# KiCad board sr99-stm32-hotswap.kicad_pcb
title: SR99 STM32F411 Hotswap Keyboard; rev: 0.2; company: Tecsmith
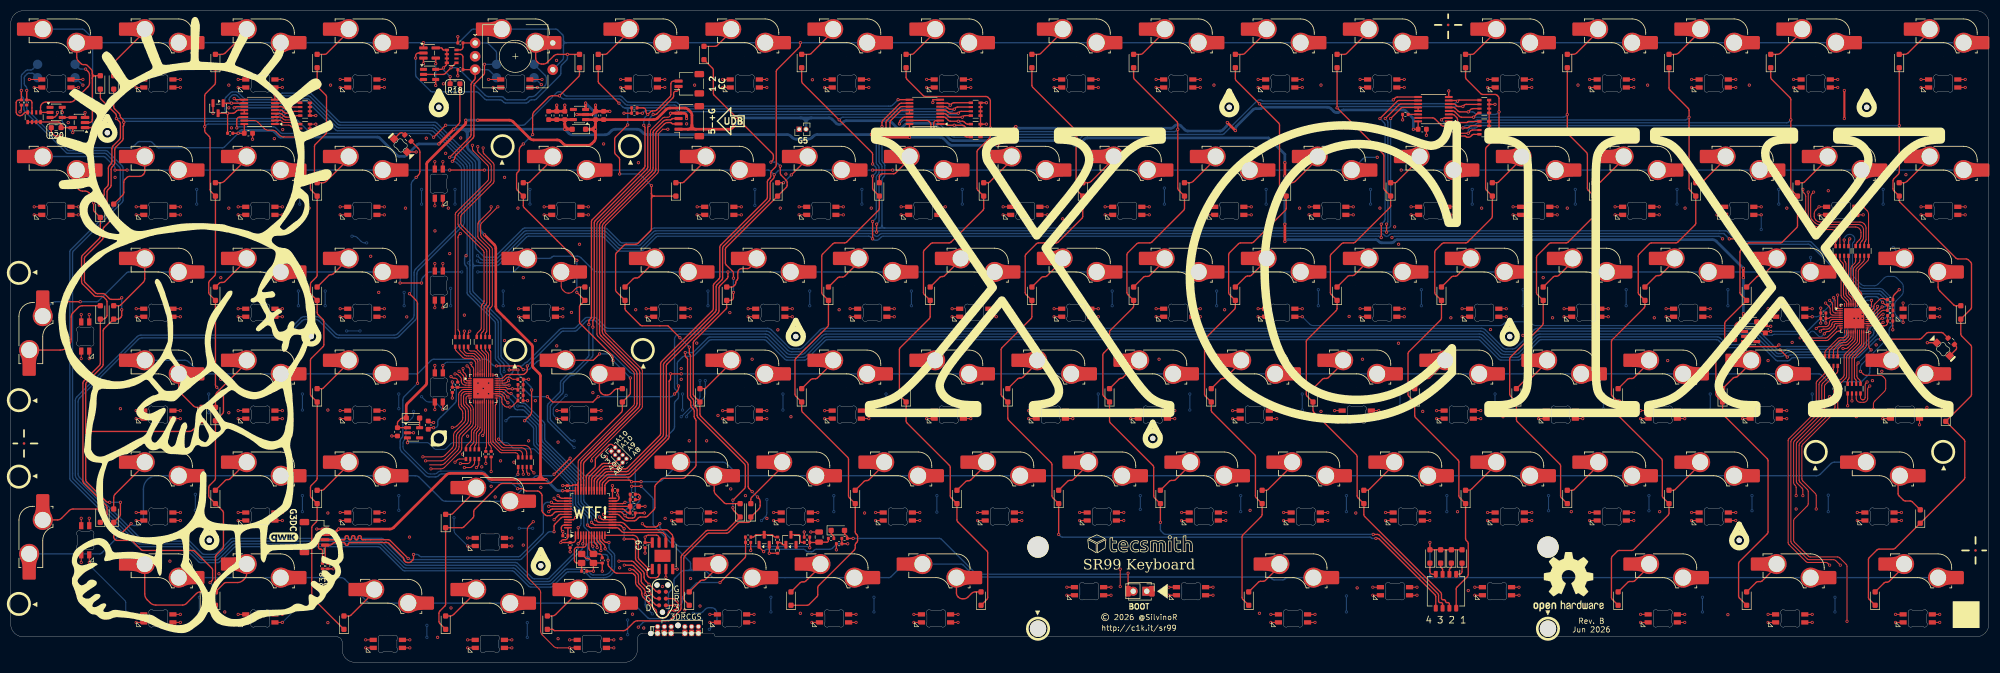
[diagram p0: board, top side]
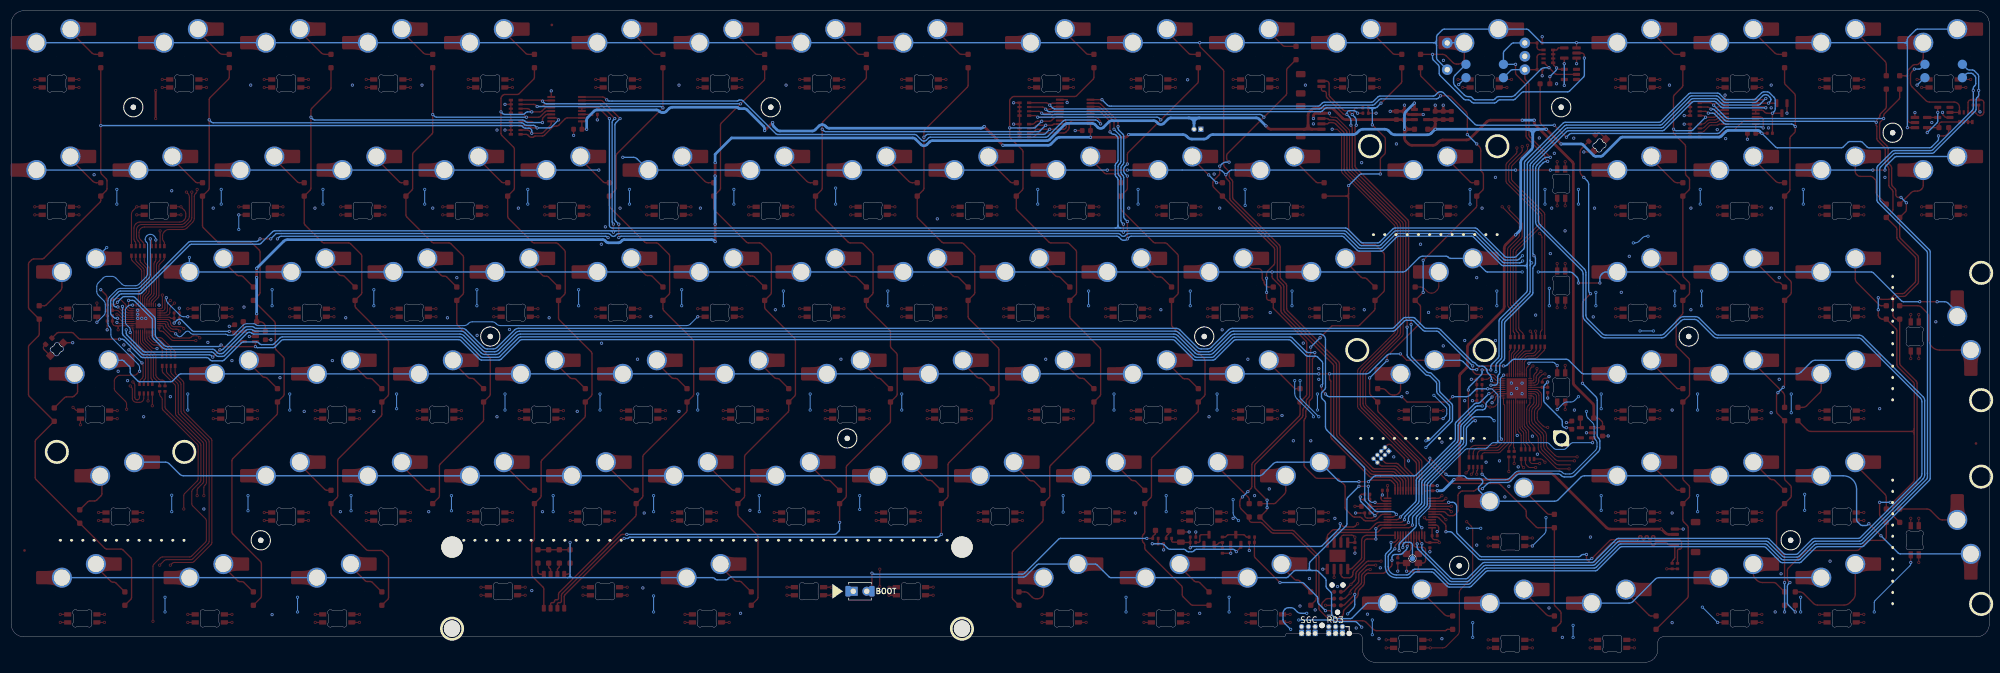
[diagram p1: board, bottom side, seen from below]

Outline 369.48 x 121.82 mm; copper layers: Top, In1.Cu, In2.Cu, Bottom. Coordinates in mm from the lower left corner of the outline.
Outline path: circle c79.96,41.86 r1.05 ; 0,119.44 0,7.14 arc(0.7,5.46) 2.38,4.76 60.91,4.76 arc(61.62,4.47) 61.91,3.76 61.91,2.38 arc(62.61,0.7) 64.29,0 114.68,0 arc(116.37,0.7) 117.06,2.38 117.06,4.4 arc(117.36,5.1) 118.06,5.4 131.14,5.4 arc(131.36,5.3) 131.46,5.08 arc(131.55,4.86) 131.77,4.76 367.09,4.76 arc(368.78,5.46) 369.48,7.14 369.48,119.44 arc(368.78,121.13) 367.09,121.82 2.38,121.82 arc(0.7,121.13) 0,119.44
Stack: Top 0.035mm / dielectric 0.2064mm FR4 er 4.5 / In1.Cu 0.0152mm / dielectric 1.065mm FR4 er 4.5 / In2.Cu 0.0152mm / dielectric 0.2064mm FR4 er 4.5 / Bottom 0.035mm

## Placement (name value [footprint] x y rotation side)
C1  100n  [C_0603_1608Metric]  44.4 98.91 180 top
C2  100n  [C_0603_1608Metric]  168.65 99.41 180 top
C3  100n  [C_0603_1608Metric]  263.65 99.66 180 top
C4  10u  [C_0805_2012Metric]  150.99 23.41 270 top
C5  100n  [C_0402_1005Metric]  112.88 32.16 180 top
C6  100n  [C_0402_1005Metric]  103.99 32.56 270 top
C7  100n  [C_0402_1005Metric]  103.59 23.66 0 top
C8  100n  [C_0402_1005Metric]  104.49 21.91 90 top
C9  100n  [C_0402_1005Metric]  118.49 21.91 90 top
C10  10n  [C_0402_1005Metric]  116.18 31.41 180 top
C11  1u  [C_0402_1005Metric]  116.18 30.41 180 top
C12  100n  [C_0402_1005Metric]  116.18 27.91 180 top
C13  100n  [C_0402_1005Metric]  137.74 22.41 180 top
C14  22u  [C_0603_1608Metric]  109.24 102.24 270 top
C15  100n  [C_0603_1608Metric]  110.74 102.24 270 top
C16  100n  [C_0603_1608Metric]  103.49 102.24 270 top
C17  22u  [C_0603_1608Metric]  101.99 102.24 270 top
C18  4u7  [C_0603_1608Metric]  100.49 102.24 270 top
C19  10p  [C_0402_1005Metric]  107.12 17.04 180 top
C20  10p  [C_0402_1005Metric]  110.49 19.04 90 top
C21  100n  [C_0402_1005Metric]  83.99 110.8 0 top
C22  100n  [C_0402_1005Metric]  83.99 115.8 0 top
C23  100n  [C_0402_1005Metric]  2.99 104.66 90 top
C24  100n  [C_0402_1005Metric]  1.99 104.66 90 top
C25  1u  [C_0402_1005Metric]  338.56 65.31 0 top
C26  100n  [C_0402_1005Metric]  338.56 64.31 0 top
C27  1u  [C_0402_1005Metric]  351.06 63.81 180 top
C28  100n  [C_0402_1005Metric]  351.06 64.81 180 top
C29  1u  [C_0402_1005Metric]  83.49 51.89 270 top
C30  100n  [C_0402_1005Metric]  82.49 50.93 90 top
C31  1u  [C_0402_1005Metric]  95.22 48.91 180 top
C32  100n  [C_0402_1005Metric]  95.24 49.91 180 top
C33  1u  [C_0603_1608Metric]  321.99 61.09 90 top
C34  22u  [C_0603_1608Metric]  327.74 62.34 270 top
C35  1u  [C_0603_1608Metric]  72.24 43.09 90 top
C36  1u  [C_0603_1608Metric]  77.99 44.34 270 top
C37  100n  [C_0402_1005Metric]  351.06 66.81 180 top
C38  100n  [C_0402_1005Metric]  95.24 51.91 180 top
D1  1N4148WS  [D_SOD-323_HandSoldering]  154.49 24.66 0 top
D2  1N4148WS  [D_SOD-323_HandSoldering]  106.12 99.66 180 top
D3  1N4148WS  [D_SOD-323_HandSoldering]  352.74 112.41 90 top
D4  1N4148WS  [D_SOD-323_HandSoldering]  328.74 112.41 90 top
D5  1N4148WS  [D_SOD-323_HandSoldering]  309.74 112.41 90 top
D6  1N4148WS  [D_SOD-323_HandSoldering]  290.74 112.41 90 top
D7  1N4148WS  [D_SOD-323_HandSoldering]  271.74 112.41 90 top
D8  1N4148WS  [D_SOD-323_HandSoldering]  247.74 112.41 90 top
D9  1N4148WS  [D_SOD-323_HandSoldering]  228.74 112.41 90 top
D10  1N4148WS  [D_SOD-323_HandSoldering]  209.74 112.41 90 top
D11  1N4148WS  [D_SOD-323_HandSoldering]  190.74 112.41 90 top
D12  1N4148WS  [D_SOD-323_HandSoldering]  167.24 112.41 90 top
D13  1N4148WS  [D_SOD-323_HandSoldering]  147.74 112.41 90 top
D14  1N4148WS  [D_SOD-323_HandSoldering]  129.49 113.91 90 top
D15  1N4148WS  [D_SOD-323_HandSoldering]  109.74 112.41 90 top
D16  1N4148WS  [D_SOD-323_HandSoldering]  106.24 112.41 90 top
D17  1N4148WS  [D_SOD-323_HandSoldering]  57.24 112.41 90 top
D18  1N4148WS  [D_SOD-323_HandSoldering]  38.24 112.41 90 top
D19  1N4148WS  [D_SOD-323_HandSoldering]  19.24 108.41 90 top
D20  1N4148WS  [D_SOD-323_HandSoldering]  16.74 108.41 90 top
D21  1N4148WS  [D_SOD-323_HandSoldering]  352.74 88.41 90 top
D22  1N4148WS  [D_SOD-323_HandSoldering]  333.74 88.41 90 top
D23  1N4148WS  [D_SOD-323_HandSoldering]  314.74 88.41 90 top
D24  1N4148WS  [D_SOD-323_HandSoldering]  295.74 88.41 90 top
D25  1N4148WS  [D_SOD-323_HandSoldering]  276.74 88.41 90 top
D26  1N4148WS  [D_SOD-323_HandSoldering]  257.74 88.41 90 top
D27  1N4148WS  [D_SOD-323_HandSoldering]  238.24 88.41 90 top
D28  1N4148WS  [D_SOD-323_HandSoldering]  219.24 88.41 90 top
D29  1N4148WS  [D_SOD-323_HandSoldering]  200.24 88.41 90 top
D30  1N4148WS  [D_SOD-323_HandSoldering]  181.74 88.41 90 top
D31  1N4148WS  [D_SOD-323_HandSoldering]  162.24 88.41 90 top
D32  1N4148WS  [D_SOD-323_HandSoldering]  143.24 88.41 90 top
D33  1N4148WS  [D_SOD-323_HandSoldering]  124.24 88.41 90 top
D34  1N4148WS  [D_SOD-323_HandSoldering]  95.74 88.41 90 top
D35  1N4148WS  [D_SOD-323_HandSoldering]  57.24 88.41 90 top
D36  1N4148WS  [D_SOD-323_HandSoldering]  38.24 88.41 90 top
D37  1N4148WS  [D_SOD-323_HandSoldering]  19.24 84.41 90 top
D38  1N4148WS  [D_SOD-323_HandSoldering]  16.74 84.41 90 top
D39  1N4148WS  [D_SOD-323_HandSoldering]  364.24 65.41 90 top
D40  1N4148WS  [D_SOD-323_HandSoldering]  324.24 68.91 90 top
D41  1N4148WS  [D_SOD-323_HandSoldering]  305.24 68.91 90 top
D42  1N4148WS  [D_SOD-323_HandSoldering]  286.24 68.91 90 top
D43  1N4148WS  [D_SOD-323_HandSoldering]  267.24 68.91 90 top
D44  1N4148WS  [D_SOD-323_HandSoldering]  247.74 68.91 90 top
D45  1N4148WS  [D_SOD-323_HandSoldering]  228.74 68.91 90 top
D46  1N4148WS  [D_SOD-323_HandSoldering]  209.74 68.91 90 top
D47  1N4148WS  [D_SOD-323_HandSoldering]  190.74 68.91 90 top
D48  1N4148WS  [D_SOD-323_HandSoldering]  171.74 68.91 90 top
D49  1N4148WS  [D_SOD-323_HandSoldering]  152.74 68.91 90 top
D50  1N4148WS  [D_SOD-323_HandSoldering]  133.74 68.91 90 top
D51  1N4148WS  [D_SOD-323_HandSoldering]  114.74 68.91 90 top
D52  1N4148WS  [D_SOD-323_HandSoldering]  107.24 68.91 90 top
D53  1N4148WS  [D_SOD-323_HandSoldering]  57.24 68.91 90 top
D54  1N4148WS  [D_SOD-323_HandSoldering]  38.24 68.91 90 top
D55  1N4148WS  [D_SOD-323_HandSoldering]  19.24 65.41 90 top
D56  1N4148WS  [D_SOD-323_HandSoldering]  16.74 65.41 90 top
D57  1N4148WS  [D_SOD-323_HandSoldering]  265.08 19.79 90 top
D58  1N4148WS  [D_SOD-323_HandSoldering]  267.08 19.79 90 top
D59  1N4148WS  [D_SOD-323_HandSoldering]  269.08 19.79 90 top
D60  1N4148WS  [D_SOD-323_HandSoldering]  271.08 19.79 90 top
D61  1N4148WS  [D_SOD-323_HandSoldering]  361.43 46.31 90 top
D62  1N4148WS  [D_SOD-323_HandSoldering]  319.74 49.91 90 top
D63  1N4148WS  [D_SOD-323_HandSoldering]  300.24 49.91 90 top
D64  1N4148WS  [D_SOD-323_HandSoldering]  281.24 49.91 90 top
D65  1N4148WS  [D_SOD-323_HandSoldering]  262.24 49.91 90 top
D66  1N4148WS  [D_SOD-323_HandSoldering]  243.24 49.91 90 top
D67  1N4148WS  [D_SOD-323_HandSoldering]  224.24 49.91 90 top
D68  1N4148WS  [D_SOD-323_HandSoldering]  205.24 49.91 90 top
D69  1N4148WS  [D_SOD-323_HandSoldering]  186.24 49.91 90 top
D70  1N4148WS  [D_SOD-323_HandSoldering]  167.24 49.91 90 top
D71  1N4148WS  [D_SOD-323_HandSoldering]  147.74 49.91 90 top
D72  1N4148WS  [D_SOD-323_HandSoldering]  128.74 49.91 90 top
D73  1N4148WS  [D_SOD-323_HandSoldering]  114.24 49.91 90 top
D74  1N4148WS  [D_SOD-323_HandSoldering]  57.24 49.91 90 top
D75  1N4148WS  [D_SOD-323_HandSoldering]  38.24 46.41 90 top
D76  1N4148WS  [D_SOD-323_HandSoldering]  35.74 46.41 90 top
D77  1N4148WS  [D_SOD-323_HandSoldering]  356.66 27.26 90 top
D78  1N4148WS  [D_SOD-323_HandSoldering]  309.74 30.91 90 top
D79  1N4148WS  [D_SOD-323_HandSoldering]  290.74 30.91 90 top
D80  1N4148WS  [D_SOD-323_HandSoldering]  271.74 30.91 90 top
D81  1N4148WS  [D_SOD-323_HandSoldering]  252.74 30.91 90 top
D82  1N4148WS  [D_SOD-323_HandSoldering]  233.74 30.91 90 top
D83  1N4148WS  [D_SOD-323_HandSoldering]  214.74 30.91 90 top
D84  1N4148WS  [D_SOD-323_HandSoldering]  195.74 30.91 90 top
D85  1N4148WS  [D_SOD-323_HandSoldering]  176.74 30.91 90 top
D86  1N4148WS  [D_SOD-323_HandSoldering]  157.74 30.91 90 top
D87  1N4148WS  [D_SOD-323_HandSoldering]  138.24 28.41 90 top
D88  1N4148WS  [D_SOD-323_HandSoldering]  136.24 28.41 90 top
D89  1N4148WS  [D_SOD-323_HandSoldering]  81.24 26.41 90 top
D90  1N4148WS  [D_SOD-323_HandSoldering]  57.24 30.91 90 top
D91  1N4148WS  [D_SOD-323_HandSoldering]  38.24 30.91 90 top
D92  1N4148WS  [D_SOD-323_HandSoldering]  19.24 27.41 90 top
D93  1N4148WS  [D_SOD-323_HandSoldering]  16.74 27.41 90 top
D94  1N4148WS  [D_SOD-323_HandSoldering]  348.24 11.91 90 top
D95  1N4148WS  [D_SOD-323_HandSoldering]  324.24 11.91 90 top
D96  1N4148WS  [D_SOD-323_HandSoldering]  300.24 11.91 90 top
D97  1N4148WS  [D_SOD-323_HandSoldering]  231.24 11.91 90 top
D98  1N4148WS  [D_SOD-323_HandSoldering]  181.24 11.91 90 top
D99  1N4148WS  [D_SOD-323_HandSoldering]  145.74 11.91 90 top
D100  1N4148WS  [D_SOD-323_HandSoldering]  126.74 11.91 90 top
D101  1N4148WS  [D_SOD-323_HandSoldering]  100.24 7.41 90 top
D102  1N4148WS  [D_SOD-323_HandSoldering]  81.24 7.41 90 top
D103  1N4148WS  [D_SOD-323_HandSoldering]  62.24 7.41 90 top
D104  1N4148WS  [D_SOD-323_HandSoldering]  38.24 11.91 90 top
D105  1N4148WS  [D_SOD-323_HandSoldering]  36.24 11.91 90 top
D106  1N4148WS  [D_SOD-323_HandSoldering]  324.88 63.66 0 top
D107  1N4148WS  [D_SOD-323_HandSoldering]  75.12 45.66 0 top
D108  LED  [LED_MHT151C]  360.95 58.53 135 top
D109  LED  [LED_MHT151C]  72.82 96.63 315 top
ENC1  Skyloong  [SW_Skyloong_Enc]  94.25 113.3 0 top
ENC2  Skyloong  [SW_Skyloong_Enc]  8.53 113.3 0 top
FB1  1KΩ 100MHz  [L_0603_1608Metric]  116.49 29.16 0 top
G***  LOGO  [qwiic_5.5mm]  51 23.41 0 top
J1  UDB  [JST_SH_SM04B-SRSS-TB_1x04-1MP_P1.00mm_Horizontal]  126.74 101.16 90 top
J2  ~  [JST_SH_SM04B-SRSS-TB_1x04-1MP_P1.00mm_Horizontal]  56.74 23.41 270 top
J3  TC2030_SWD  [Tag-Connect_TC2030-IDC-NL_2x03_P1.27mm_Vertical]  121.74 11.91 90 top
J4  Conn_01x02  [PinHeader_1x02_P2.54mm_Vertical]  212.2 13.29 270 top
J5  ~  [JST_SH_SM02B-SRSS-TB_1x02-1MP_P1.00mm_Horizontal]  126.74 108.16 90 top
J6  Conn_01x06_Socket  [Tag-Connect_EC-06-IDC_P1.27mm_Vertical]  124.64 5.4 0 bottom
NT1  NetTie_2  [NetTie-2_SMD_Pad0.254mm]  103.74 22.39 0 top
NT2  NetTie_2  [NetTie-2_SMD_Pad0.254mm]  117.74 27.91 180 top
NT3  NetTie_2  [NetTie-2_SMD_Pad0.254mm]  115.7 28.41 270 top
Q1  2N7002  [SOT-23]  38.74 103.6 270 top
Q2  2N7002  [SOT-23]  145.74 22.91 90 top
Q3  2N7002  [SOT-23]  140.74 22.91 90 top
R1  10K  [R_Array_Convex_4x0603]  275.24 103.91 180 top
R2  10K  [R_Array_Convex_4x0603]  180.24 103.41 180 top
R3  10K  [R_Array_Convex_4x0603]  54.99 103.41 180 top
R4  10K  [R_Array_Convex_4x0603]  275.24 99.91 180 top
R5  10K  [R_Array_Convex_4x0603]  180.24 99.41 180 top
R6  10K  [R_Array_Convex_4x0603]  54.99 99.41 180 top
R7  5K1  [C_0402_1005Metric]  40.99 98.91 180 top
R8  330K  [R_0402_1005Metric]  153.24 23.16 180 top
R9  1M  [R_0402_1005Metric]  148.73 23.41 0 top
R10  10K  [R_0402_1005Metric]  148.74 22.41 0 top
R12  10K  [R_0402_1005Metric]  143.24 22.91 90 top
R13  1K  [R_0402_1005Metric]  155.75 23.16 180 top
R14  100K  [R_0402_1005Metric]  143.24 20.9 90 top
R15  10K  [R_0402_1005Metric]  154.73 22.16 0 top
R16  100R  [R_0402_1005Metric]  137.74 23.41 180 top
R17  10K  [R_Array_Convex_4x0603]  82.36 113.29 180 top
R18  0  [R_0603_1608Metric_Pad0.98x0.95mm_HandSolder]  82.99 108.16 0 top
R19  10K  [R_Array_Convex_4x0603]  4.37 101.91 270 top
R20  0  [R_0603_1608Metric_Pad0.98x0.95mm_HandSolder]  8.49 99.96 180 top
R21  20R  [R_Array_Convex_4x0603]  340.06 56.31 270 top
R22  51R  [R_0402_1005Metric]  340.74 51.16 270 top
R23  51R  [R_0402_1005Metric]  341.74 51.16 270 top
R24  20R  [R_Array_Convex_4x0603]  344.31 51.16 270 top
R25  20R  [R_Array_Convex_4x0603]  345.81 76.91 90 top
R26  51R  [R_Array_Convex_4x0603]  342.06 76.91 90 top
R27  20R  [R_Array_Convex_4x0603]  86.24 38.91 270 top
R28  51R  [R_0402_1005Metric]  88.74 38.91 270 top
R29  51R  [R_0402_1005Metric]  89.74 38.91 270 top
R30  20R  [R_Array_Convex_4x0603]  95.99 37.41 270 top
R31  20R  [R_Array_Convex_4x0603]  88.24 59.91 90 top
R32  51R  [R_Array_Convex_4x0603]  84.24 59.91 90 top
R33  100K  [R_0402_1005Metric]  351.06 65.81 180 top
R34  10K  [R_0402_1005Metric]  351.06 67.81 180 top
R35  100K  [R_0402_1005Metric]  95.24 50.91 180 top
R36  10K  [R_0402_1005Metric]  95.23 52.91 180 top
R37  4K7  [R_0402_1005Metric]  59.24 17.99 270 top
R38  4K7  [R_0402_1005Metric]  58.24 17.99 270 top
R39  510R  [R_0603_1608Metric]  362.45 60.03 135 top
R40  510R  [R_0603_1608Metric]  74.2 98.01 315 top
R41  10K  [R_0402_1005Metric]  260.49 102.44 180 top
R42  5K1  [R_0402_1005Metric]  116.49 103.66 180 top
R43  5K1  [R_0402_1005Metric]  116.49 102.66 180 top
REF**  -  [pcb-post-screw]  346.66 103.77 0 top
Ref**  -  [Fiducial_0.5mm_Mask1mm]  268.49 119.16 0 top
REF**#2  -  [pcb-post-screw]  18.05 99.01 0 top
Ref**#2  -  [Fiducial_0.5mm_Mask1mm]  366.99 20.91 0 top
REF**#3  -  [jlcpcb_order_number_5x5]  365.24 8.91 90 top
Ref**#3  -  [Fiducial_0.5mm_Mask1mm]  2.49 40.91 0 top
REF**#4  -  [pcb-post-screw]  213.31 41.86 0 top
REF**#5  -  [pcb-post-screw]  99.01 18.05 0 top
REF**#6  -  [pcb-post-screw]  227.6 103.77 0 top
REF**#7  -  [Tecsmith_20mm]  210.74 22.16 0 top
REF**#8  -  [pcb-post-screw]  37.1 22.81 0 top
REF**#9  -  [OSHW-Logo2_14.6x12mm_SilkScreen]  290.98 15.07 0 top
REF**#10  -  [PinHeader_1x02_P1.27mm_Vertical]  147.27 99.66 90 top
REF**#11  -  [pcb-post-screw]  279.99 60.91 0 top
REF**#12  -  [PinHeader_1x07_P1.27mm_Vertical]  120.83 6.67 90 top
REF**#13  -  [PinHeader_2x04_P1.00mm_Vertical]  112.18 39.47 45 top
REF**#14  -  [pcb-post-screw]  56.15 60.91 0 top
REF**#15  -  [EC11-E]  94.25 113.3 0 top
REF**#16  -  [pcb-post-screw]  79.96 103.77 0 top
REF**#17  -  [pcb-post-screw]  146.64 60.91 0 top
REF**#18  -  [pcb-post-screw]  322.85 22.81 0 top
REF**#19  -  [SW_SPST_TS-1088-xR020]  210.93 13.29 0 bottom
ST1  ~  [STAB_2U]  103.77 89.49 0 top
ST2  ~  [STAB_2U]  8.53 60.91 90 top
ST3  ~  [STAB_2U]  106.16 51.39 0 top
ST4  ~  [STAB_2U]  349.04 32.34 0 top
ST5  ~  [STAB_2U]  8.53 22.81 90 top
ST6  ~  [STAB_6U]  239.51 13.29 180 top
SW1  Esc  [SW_MX_HotSwap]  360.95 113.3 0 top
SW2  F1  [SW_MX_HotSwap]  337.14 113.3 0 top
SW3  F2  [SW_MX_HotSwap]  318.09 113.3 0 top
SW4  F3  [SW_MX_HotSwap]  299.04 113.3 0 top
SW5  F4  [SW_MX_HotSwap]  279.99 113.3 0 top
SW6  F5  [SW_MX_HotSwap]  256.18 113.3 0 top
SW7  F6  [SW_MX_HotSwap]  237.12 113.3 0 top
SW8  F7  [SW_MX_HotSwap]  218.08 113.3 0 top
SW9  F8  [SW_MX_HotSwap]  199.03 113.3 0 top
SW10  F9  [SW_MX_HotSwap]  175.21 113.3 0 top
SW11  F10  [SW_MX_HotSwap]  156.16 113.3 0 top
SW12  F11  [SW_MX_HotSwap]  137.11 113.3 0 top
SW13  F12  [SW_MX_HotSwap]  118.06 113.3 0 top
SW14  F13  [SW_MX_HotSwap]  94.25 113.3 0 top
SW15  F14  [SW_MX_HotSwap]  65.67 113.3 0 top
SW16  F15  [SW_MX_HotSwap]  46.62 113.3 0 top
SW17  F16  [SW_MX_HotSwap]  27.57 113.3 0 top
SW18  F17  [SW_MX_HotSwap]  8.53 113.3 0 top
SW19  Tdl  [SW_MX_HotSwap]  360.95 89.49 0 top
SW20  1  [SW_MX_HotSwap]  341.9 89.49 0 top
SW21  2  [SW_MX_HotSwap]  322.85 89.49 0 top
SW22  3  [SW_MX_HotSwap]  303.8 89.49 0 top
SW23  4  [SW_MX_HotSwap]  284.75 89.49 0 top
SW24  5  [SW_MX_HotSwap]  265.7 89.49 0 top
SW25  6  [SW_MX_HotSwap]  246.65 89.49 0 top
SW26  7  [SW_MX_HotSwap]  227.6 89.49 0 top
SW27  8  [SW_MX_HotSwap]  208.55 89.49 0 top
SW28  9  [SW_MX_HotSwap]  189.5 89.49 0 top
SW29  0  [SW_MX_HotSwap]  170.45 89.49 0 top
SW30  MIN  [SW_MX_HotSwap]  151.4 89.49 0 top
SW31  PLS  [SW_MX_HotSwap]  132.35 89.49 0 top
SW32  BS  [SW_MX_HotSwap]  103.77 89.49 0 top
SW33  NumL  [SW_MX_HotSwap]  65.67 89.49 0 top
SW34  Div  [SW_MX_HotSwap]  46.62 89.49 0 top
SW35  Mul  [SW_MX_HotSwap]  27.57 89.49 0 top
SW36  Sub  [SW_MX_HotSwap]  8.53 89.49 0 top
SW37  Tab  [SW_MX_HotSwap]  356.19 70.44 0 top
SW38  Q  [SW_MX_HotSwap]  332.38 70.44 0 top
SW39  W  [SW_MX_HotSwap]  313.32 70.44 0 top
SW40  E  [SW_MX_HotSwap]  294.28 70.44 0 top
SW41  R  [SW_MX_HotSwap]  275.23 70.44 0 top
SW42  T  [SW_MX_HotSwap]  256.18 70.44 0 top
SW43  Y  [SW_MX_HotSwap]  237.12 70.44 0 top
SW44  U  [SW_MX_HotSwap]  218.08 70.44 0 top
SW45  I  [SW_MX_HotSwap]  199.03 70.44 0 top
SW46  O  [SW_MX_HotSwap]  179.98 70.44 0 top
SW47  P  [SW_MX_HotSwap]  160.93 70.44 0 top
SW48  [  [SW_MX_HotSwap]  141.88 70.44 0 top
SW49  ]  [SW_MX_HotSwap]  122.83 70.44 0 top
SW50  \  [SW_MX_HotSwap]  99.01 70.44 0 top
SW51  N7  [SW_MX_HotSwap]  65.67 70.44 0 top
SW52  N8  [SW_MX_HotSwap]  46.62 70.44 0 top
SW53  N9  [SW_MX_HotSwap]  27.57 70.44 0 top
SW54  Add  [SW_MX_HotSwap]  8.53 60.91 90 top
SW55  CapsL  [SW_MX_HotSwap]  353.81 51.39 0 top
SW56  A  [SW_MX_HotSwap]  327.61 51.39 0 top
SW57  S  [SW_MX_HotSwap]  308.56 51.39 0 top
SW58  D  [SW_MX_HotSwap]  289.51 51.39 0 top
SW59  F  [SW_MX_HotSwap]  270.46 51.39 0 top
SW60  G  [SW_MX_HotSwap]  251.41 51.39 0 top
SW61  H  [SW_MX_HotSwap]  232.36 51.39 0 top
SW62  J  [SW_MX_HotSwap]  213.31 51.39 0 top
SW63  K  [SW_MX_HotSwap]  194.26 51.39 0 top
SW64  L  [SW_MX_HotSwap]  175.21 51.39 0 top
SW65  ;  [SW_MX_HotSwap]  156.16 51.39 0 top
SW66  "  [SW_MX_HotSwap]  137.11 51.39 0 top
SW67  Ent  [SW_MX_HotSwap]  106.16 51.39 0 top
SW68  N4  [SW_MX_HotSwap]  65.67 51.39 0 top
SW69  N5  [SW_MX_HotSwap]  46.62 51.39 0 top
SW70  N6  [SW_MX_HotSwap]  27.57 51.39 0 top
SW71  SW_DIP_x04  [SW_DIP_SPSTx04]  268.08 13.29 180 top
SW72  LShft  [SW_MX_HotSwap]  349.04 32.34 0 top
SW73  Z  [SW_MX_HotSwap]  318.09 32.34 0 top
SW74  X  [SW_MX_HotSwap]  299.04 32.34 0 top
SW75  C  [SW_MX_HotSwap]  279.99 32.34 0 top
SW76  V  [SW_MX_HotSwap]  260.94 32.34 0 top
SW77  B  [SW_MX_HotSwap]  241.89 32.34 0 top
SW78  N  [SW_MX_HotSwap]  222.84 32.34 0 top
SW79  M  [SW_MX_HotSwap]  203.79 32.34 0 top
SW80  <  [SW_MX_HotSwap]  184.74 32.34 0 top
SW81  >  [SW_MX_HotSwap]  165.69 32.34 0 top
SW82  ?  [SW_MX_HotSwap]  146.64 32.34 0 top
SW83  RShft  [SW_MX_HotSwap]  127.59 32.34 0 top
SW84  Up  [SW_MX_HotSwap]  89.49 27.57 0 top
SW85  N1  [SW_MX_HotSwap]  65.67 32.34 0 top
SW86  N2  [SW_MX_HotSwap]  46.62 32.34 0 top
SW87  N3  [SW_MX_HotSwap]  27.57 32.34 0 top
SW88  NEnt  [SW_MX_HotSwap]  8.53 22.81 90 top
SW89  Ctrl  [SW_MX_HotSwap]  356.19 13.29 0 top
SW90  Opt  [SW_MX_HotSwap]  332.38 13.29 0 top
SW91  Cmnd  [SW_MX_HotSwap]  308.56 13.29 0 top
SW92  Space  [SW_MX_HotSwap]  239.51 13.29 0 top
SW93  Menu  [SW_MX_HotSwap]  172.83 13.29 0 top
SW94  Fn1  [SW_MX_HotSwap]  153.78 13.29 0 top
SW95  Fn2  [SW_MX_HotSwap]  134.73 13.29 0 top
SW96  Left  [SW_MX_HotSwap]  108.54 8.53 0 top
SW97  Down  [SW_MX_HotSwap]  89.49 8.53 0 top
SW98  Right  [SW_MX_HotSwap]  70.44 8.53 0 top
SW99  N0  [SW_MX_HotSwap]  46.62 13.29 0 top
SW100  Dot  [SW_MX_HotSwap]  27.57 13.29 0 top
SW104  74HC1G66  [SC-74A-5_1.55x2.9mm_P0.95mm]  78.24 113.91 0 top
SW105  74HC1G66  [SC-74A-5_1.55x2.9mm_P0.95mm]  12.74 100.91 180 top
TP1  ~  [TestPoint_Pad_D1.0mm]  107.74 19.41 180 bottom
U1  STM32G474CBTx  [LQFP-48_7x7mm_P0.5mm]  108.24 27.91 90 top
U2  MC74HC589AD  [TSSOP-16_4.4x5mm_P0.65mm]  265.74 103.41 180 top
U3  MC74HC589AD  [TSSOP-16_4.4x5mm_P0.65mm]  170.74 102.91 180 top
U4  MC74HC589AD  [TSSOP-16_4.4x5mm_P0.65mm]  46.49 102.91 180 top
U5  M25C-MEM-SPI  [SOIC-8]  121.74 19.91 90 top
U6  AP2112K  [SOT-23-5]  106.24 102.41 180 top
U7  SN74LVC1G14DBV  [SOT-23-5]  78.24 109.91 0 top
U8  SN74LVC1G14DBV  [SOT-23-5]  8.49 102.81 0 top
U9  IS31FL3743B  [UQFN-40-1EP_5x5mm_P0.4mm_EP3.8x3.8mm]  344.32 64.31 0 top
U10  IS31FL3743B  [UQFN-40-1EP_5x5mm_P0.4mm_EP3.8x3.8mm]  88.26 51.21 0 top
U11  AP2112K  [SOT-23-5]  324.99 60.91 0 top
U12  AP2112K  [SOT-23-5]  75.24 42.91 0 top
UBOOT1  SW-Boot  [SW_SPST_TS-1088-xR020]  210.93 13.29 180 top
W1  Esc  [RGB-3528]  360.95 108.22 0 top
W2  F1  [RGB-3528]  337.14 108.22 0 top
W3  F2  [RGB-3528]  318.09 108.22 0 top
W4  F3  [RGB-3528]  299.04 108.22 0 top
W5  F4  [RGB-3528]  279.99 108.22 0 top
W6  F5  [RGB-3528]  256.18 108.22 0 top
W7  F6  [RGB-3528]  237.12 108.22 0 top
W8  F7  [RGB-3528]  218.08 108.22 0 top
W9  F8  [RGB-3528]  199.03 108.22 0 top
W10  F9  [RGB-3528]  175.21 108.22 0 top
W11  F10  [RGB-3528]  156.16 108.22 0 top
W12  F11  [RGB-3528]  137.11 108.22 0 top
W13  F12  [RGB-3528]  118.06 108.22 0 top
W14  F13  [RGB-3528]  94.25 108.22 0 top
W15  F14  [RGB-3528]  65.67 108.22 0 top
W16  F15  [RGB-3528]  46.62 108.22 0 top
W17  F16  [RGB-3528]  27.57 108.22 0 top
W18  F17  [RGB-3528]  8.53 108.22 0 top
W19  Tdl  [RGB-3528]  360.95 84.41 0 top
W20  1  [RGB-3528]  341.9 84.41 0 top
W21  2  [RGB-3528]  322.85 84.41 0 top
W22  3  [RGB-3528]  303.8 84.41 0 top
W23  4  [RGB-3528]  284.75 84.41 0 top
W24  5  [RGB-3528]  265.7 84.41 0 top
W25  6  [RGB-3528]  246.65 84.41 0 top
W26  7  [RGB-3528]  227.6 84.41 0 top
W27  8  [RGB-3528]  208.55 84.41 0 top
W28  9  [RGB-3528]  189.5 84.41 0 top
W29  0  [RGB-3528]  170.45 84.41 0 top
W30  MIN  [RGB-3528]  151.4 84.41 0 top
W31  PLS  [RGB-3528]  132.35 84.41 0 top
W32  Bspc  [RGB-3528]  103.77 84.41 0 top
W33  NumL  [RGB-3528]  65.67 84.41 0 top
W34  Div  [RGB-3528]  46.62 84.41 0 top
W35  Mul  [RGB-3528]  27.57 84.41 0 top
W36  Sub  [RGB-3528]  8.53 84.41 0 top
W37  Tab  [RGB-3528]  356.19 65.36 0 top
W38  Q  [RGB-3528]  332.38 65.36 0 top
W39  W  [RGB-3528]  313.32 65.36 0 top
W40  E  [RGB-3528]  294.28 65.36 0 top
W41  R  [RGB-3528]  275.23 65.36 0 top
W42  T  [RGB-3528]  256.18 65.36 0 top
W43  Y  [RGB-3528]  237.12 65.36 0 top
W44  U  [RGB-3528]  218.08 65.36 0 top
W45  I  [RGB-3528]  199.03 65.36 0 top
W46  O  [RGB-3528]  179.98 65.36 0 top
W47  P  [RGB-3528]  160.93 65.36 0 top
W48  [  [RGB-3528]  141.88 65.36 0 top
W49  ]  [RGB-3528]  122.83 65.36 0 top
W50  \  [RGB-3528]  99.01 65.36 0 top
W51  N7  [RGB-3528]  65.67 65.36 0 top
W52  N8  [RGB-3528]  46.62 65.36 0 top
W53  N9  [RGB-3528]  27.57 65.36 0 top
W54  CapsL  [RGB-3528]  353.81 46.31 0 top
W55  A  [RGB-3528]  327.61 46.31 0 top
W56  S  [RGB-3528]  308.56 46.31 0 top
W57  D  [RGB-3528]  289.51 46.31 0 top
W58  F  [RGB-3528]  270.46 46.31 0 top
W59  G  [RGB-3528]  251.41 46.31 0 top
W60  H  [RGB-3528]  232.36 46.31 0 top
W61  J  [RGB-3528]  213.31 46.31 0 top
W62  K  [RGB-3528]  194.26 46.31 0 top
W63  L  [RGB-3528]  175.21 46.31 0 top
W64  :  [RGB-3528]  156.16 46.31 0 top
W65  "  [RGB-3528]  137.11 46.31 0 top
W66  Ent  [RGB-3528]  106.16 46.31 0 top
W67  N4  [RGB-3528]  65.67 46.31 0 top
W68  N5  [RGB-3528]  46.62 46.31 0 top
W69  N6  [RGB-3528]  27.57 46.31 0 top
W70  Add  [RGB-3528]  13.92 60.91 90 top
W71  LShft  [RGB-3528]  349.04 27.26 0 top
W72  Z  [RGB-3528]  318.09 27.26 0 top
W73  X  [RGB-3528]  299.04 27.26 0 top
W74  C  [RGB-3528]  279.99 27.26 0 top
W75  V  [RGB-3528]  260.94 27.26 0 top
W76  B  [RGB-3528]  241.89 27.26 0 top
W77  N  [RGB-3528]  222.84 27.26 0 top
W78  M  [RGB-3528]  203.79 27.26 0 top
W79  <  [RGB-3528]  184.74 27.26 0 top
W80  >  [RGB-3528]  165.69 27.26 0 top
W81  ?  [RGB-3528]  146.64 27.26 0 top
W82  RShft  [RGB-3528]  127.59 27.26 0 top
W83  Up  [RGB-3528]  89.49 22.5 0 top
W84  N1  [RGB-3528]  65.67 27.26 0 top
W85  N2  [RGB-3528]  46.62 27.26 0 top
W86  N3  [RGB-3528]  27.57 27.26 0 top
W87  Ctrl  [RGB-3528]  356.19 8.21 0 top
W88  Opt  [RGB-3528]  332.38 8.21 0 top
W89  Cmd  [RGB-3528]  308.56 8.21 0 top
W90  << Spc  [RGB-3528]  277.61 13.29 0 top
W91  < Spc  [RGB-3528]  258.56 13.29 0 top